# Altium PCB MCP33151 Eval Board.PcbDoc (part 1 of 3) (continued)
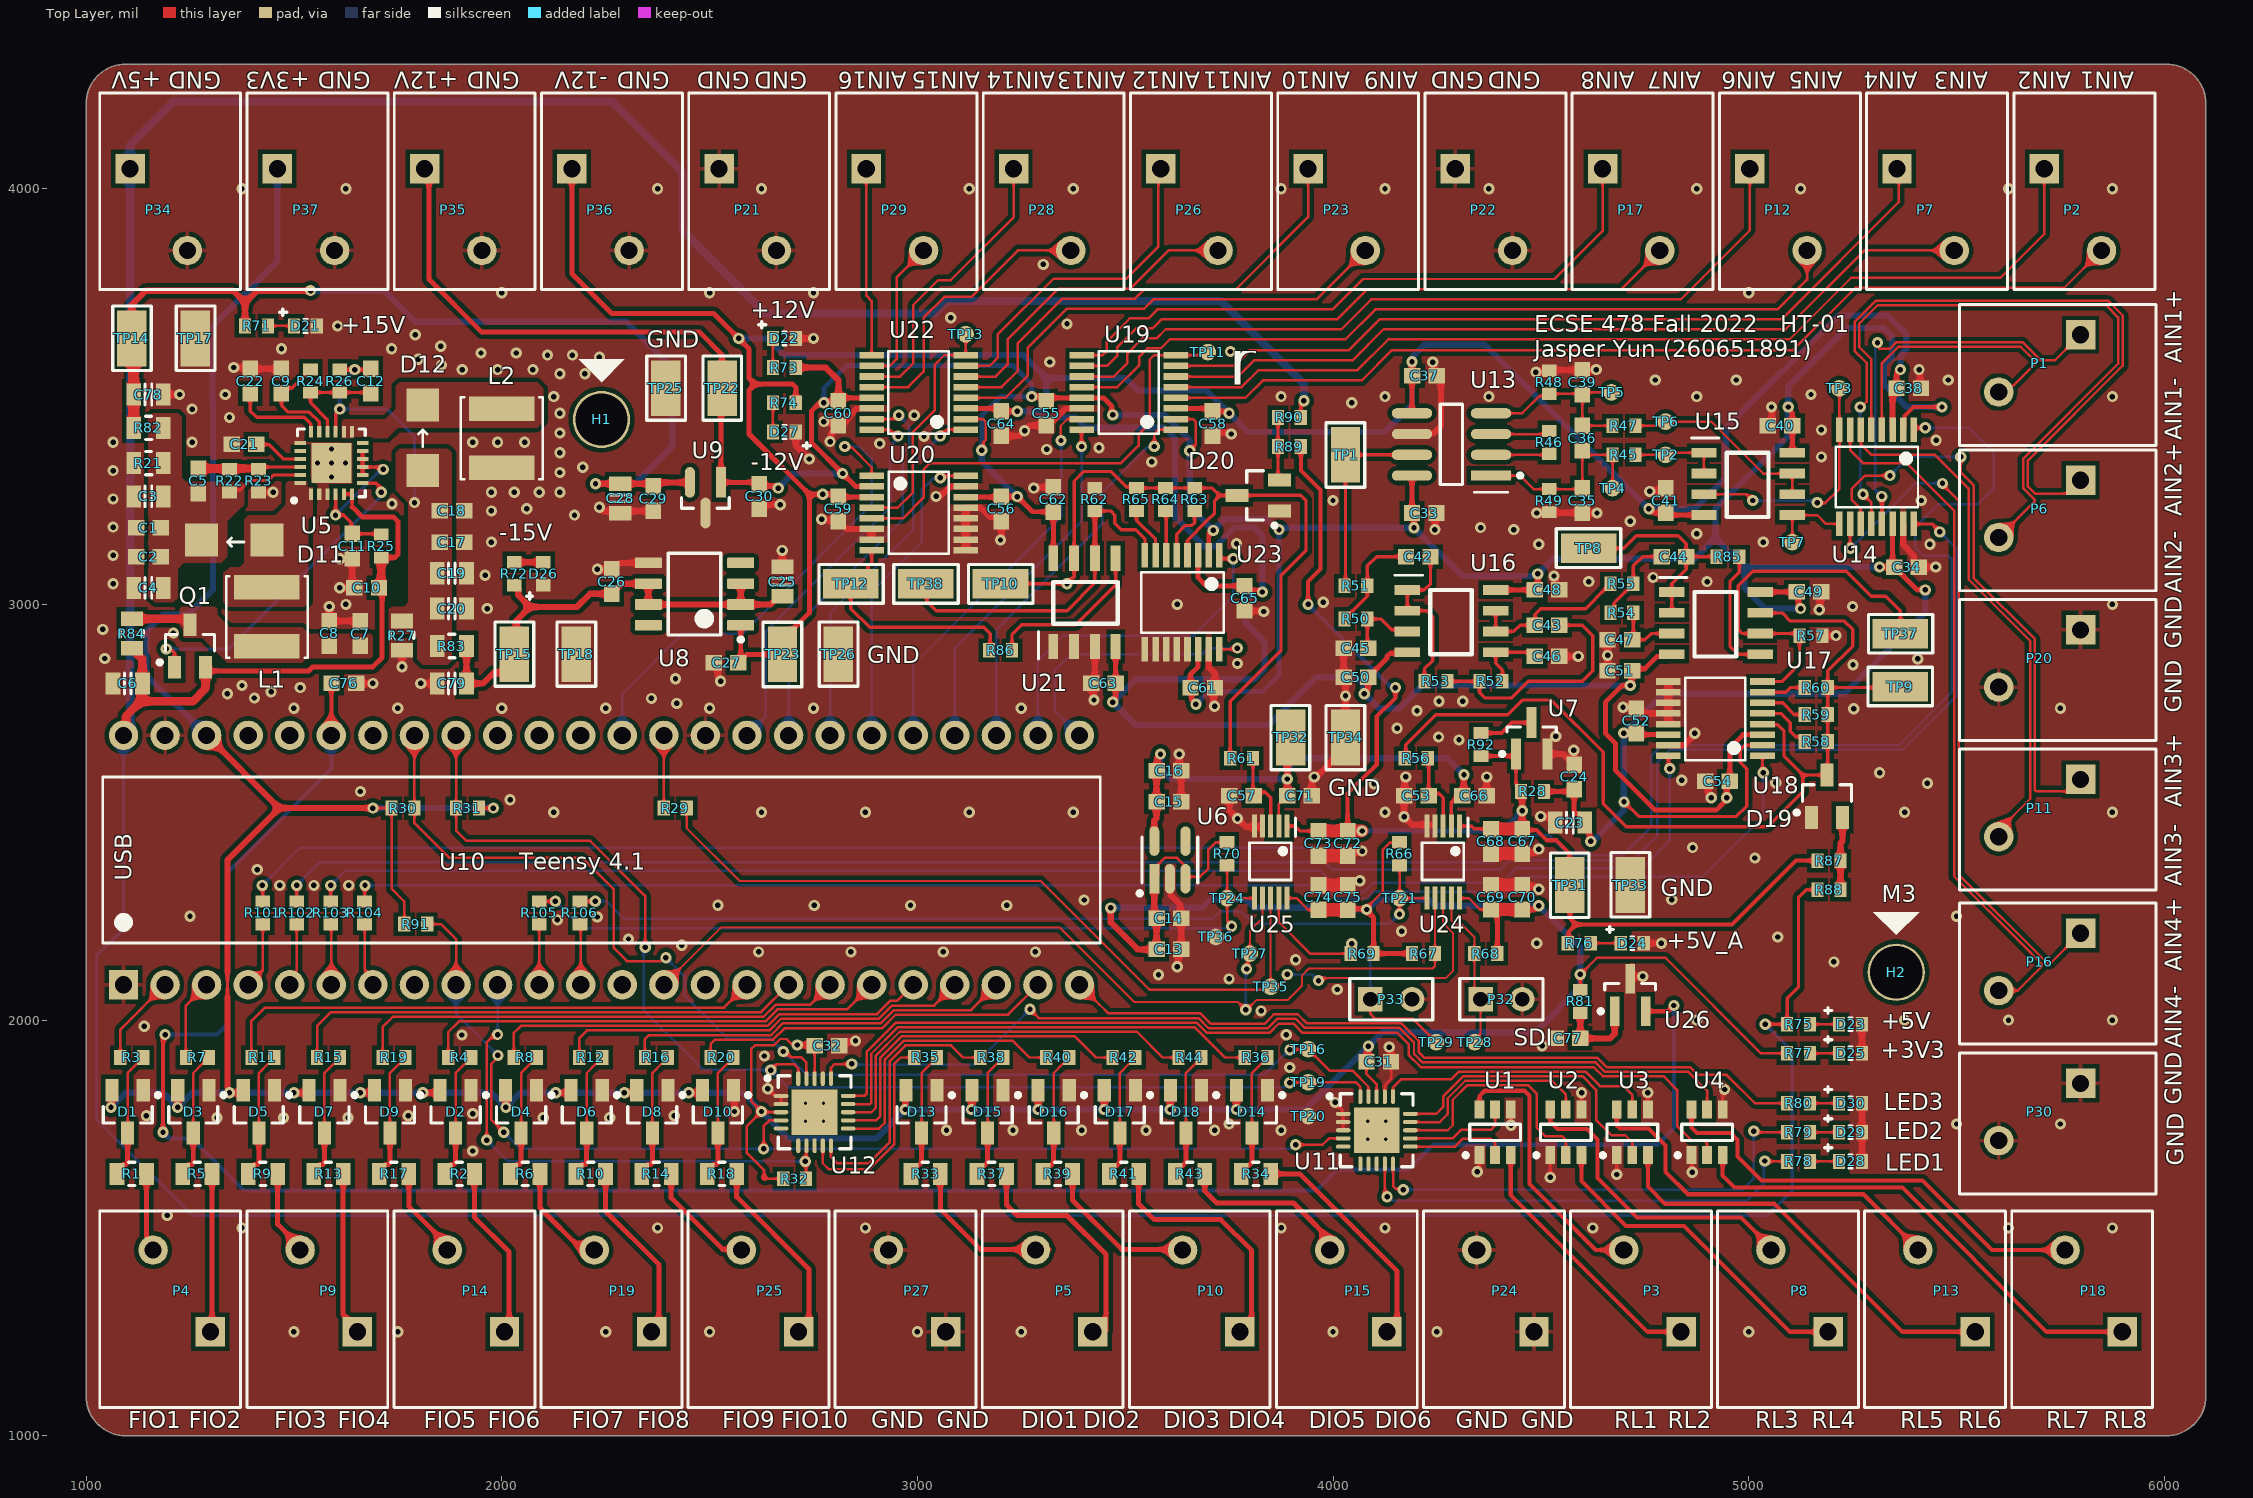
[diagram p0: Top Layer view]
## Footprints (in the part's own frame and the unit in brackets; to place one, negate y for a bottom-side part, rotate by r counter-clockwise, add the part's x,y. Pads: shape width x height; smd on the part's side, far side on the other; paste and mask are expansions set on the pad)
"0603 CAP SAMSUNG CL10C" [mm]
  rect 1x0.95 smd: 1(-0.75,0) 2(0.75,0)
  body extent -0.85,-0.45 0.85,0.45, height 0.9
"0603 LED" [mm] "0603 (1608 METRIC) LED"
  rect 0.75x0.9 smd: 1(-0.7,0) 2(0.7,0)
  silkscreen extent -1.58,-0.41 0.1,1.02, body extent -0.8,-0.4 0.81,0.4, height 0.74
"0603 RES" [mm] "0603 (1608 METRIC) RESISTOR"
  rect 0.75x0.9 smd: 1(-0.7,0) 2(0.7,0)
  body extent -0.8,-0.43 0.8,0.43, height 0.48
"0805 CAP" [mm] "0805 (2012 METRIC) CAPACITOR"
  rect 0.9x1.35 smd: 1(-0.9,0) 2(0.9,0)
  silkscreen extent -0.2,-0.64 0.2,0.64, body extent -1,-0.67 1,0.67, height 1
"0805 RES" [mm] "0805 (2012 METRIC) RESISTOR"
  rect 0.9x1.35 smd: 1(-0.9,0) 2(0.9,0)
  silkscreen extent -0.18,-0.71 0.2,0.71, body extent -0.97,-0.62 1.03,0.62, height 0.6
ADI-RT-3_M [mm] "SOT23, 3-Leads, Body 2.9x1.3mm, Pitch 0.96mm, IPC Low Density"
  rect 1.9x0.6 smd: 1(-0.96,0.96) 2(-0.96,-0.96) 3(0.96,0)
  silkscreen extent -1.07,-1.5 0.7,1.92, body extent -0.7,-1.52 0.7,1.52, height 1.12
D0008A_M [mm] "SOIC, 8-Leads, Body 5x4mm, Pitch 1.27mm, IPC Low Density"
  rrect15% 1.65x0.65 smd: 1(-2.825,1.905) 2(-2.825,0.635) 3(-2.825,-0.635) 4(-2.825,-1.905) 5(2.825,-1.905) 6(2.825,-0.635) 7(2.825,0.635) 8(2.825,1.905)
  silkscreen extent -2.95,-2.5 1.6,2.9, body extent -3,-2.45 3,2.45, height 1.63
"Diode SMA" [mm] "SMA Diode (Schottky)"
  rect 2x2 smd: 1(-2,0) 2(2,0)
  body extent -2.6,-1.35 2.61,1.25, height 2.21
FP-D0008A-IPC_A [mil]
  rect 97.21x24.49 smd paste+0 mask+0: 1(-95.02,75)
  rrect100% 97.21x24.49 smd paste+0 mask+0: 2(-95.02,25) 3(-95.02,-25) 4(-95.02,-75) 5(95.02,-75) 6(95.02,-25) 7(95.02,25) 8(95.02,75)
  silkscreen extent -170,-97 27,97, body extent -163,-116 163,116, height 10
FP-DBV0005A-IPC_A [mm]
  rect 1.805x0.612 smd paste+0 mask+0: 1(-1.15,0.95)
  rrect100% 1.805x0.612 smd paste+0 mask+0: 2(-1.15,0) 3(-1.15,-0.95) 4(1.15,-0.95) 5(1.15,0.95)
  silkscreen extent -2.16,-1.7 1.4,1.96, body extent -1.4,-1.45 1.4,1.45, height 1.45
FP-DBZ0003A-IPC_A [mm]
  rect 1.874x0.612 smd paste+0 mask+0: 1(-0.935,0.95)
  rrect100% 1.874x0.612 smd paste+0 mask+0: 2(-0.935,-0.95) 3(0.935,0)
  silkscreen extent 0,-1.46 0.65,1.46, body extent -2.37,-1.96 2.37,1.96, height 0.25
HDR1X2 [mm] "Connector; Header; 2 Position"
  rect 1.5x1.5 hole 0.9: 1(0,0)
  round 1.5 hole 0.9: 2(2.54,0)
  silkscreen extent -1.27,-1.27 3.81,1.27
"HOLE M3" [mm]
  round 3.5 hole 3.2: 1(0,0)
"Inductor BWVS005050403R3M00" [mm] "505040 Inductor SMD"
  rect 4x1.5 smd: 1(0,-1.8) 2(0,1.8)
  silkscreen extent -2.5,-2.5 2.5,2.5, body extent -2.5,-2.5 2.5,2.5, height 4
MSOP-10 [mm]
  rect 0.3x1.4 smd: 1(-1,-2.2) 2(-0.5,-2.2) 3(0,-2.2) 4(0.5,-2.2) 5(1,-2.2) 6(1,2.2) 7(0.5,2.2) 8(0,2.2) 9(-0.5,2.2) 10(-1,2.2)
  silkscreen extent -1.51,-2.71 1.29,1.1, body extent -1.48,-2.49 1.52,2.41, height 1.15
QFN-ML20_M [mm] "QFN, 20-Leads, Body 4x4mm, Pitch 0.5mm, Thermal Pad 2.8x2.8mm, IPC Low Density"
  oval 0.9x0.25 smd: 1(-2.05,1) 2(-2.05,0.5) 3(-2.05,0) 4(-2.05,-0.5) 5(-2.05,-1) 11(2.05,-1) 12(2.05,-0.5) 13(2.05,0) 14(2.05,0.5) 15(2.05,1)
  oval 0.25x0.9 smd: 6(-1,-2.05) 7(-0.5,-2.05) 8(0,-2.05) 9(0.5,-2.05) 10(1,-2.05) 16(1,2.05) 17(0.5,2.05) 18(0,2.05) 19(-0.5,2.05) 20(-1,2.05)
  rect 2.8x2.8 smd: 21(0,0)
  silkscreen extent -3,-2.22 2.23,2.23, body extent -2.07,-2.07 2.08,2.08, height 1
SOIC-8 [mm]
  rect 0.6x1.55 smd: 1(-1.905,-2.7) 2(-0.635,-2.7) 3(0.635,-2.7) 4(1.905,-2.7) 5(1.905,2.7) 6(0.635,2.7) 7(-0.635,2.7) 8(-1.905,2.7)
  silkscreen extent -2.8,-3.46 2.03,1.24, body extent -2.45,-3.03 2.45,2.97, height 1.75
SOT23-3 [mm]
  rect 1.4x0.8 smd: 1(-1.3,0.95) 2(-1.3,-0.95) 3(1.3,0)
  silkscreen extent -1.12,-1.5 0.7,1.98, body extent -1.25,-1.5 1.25,1.5, height 1.1
SOT23-6 [mm]
  rect 1.1x0.6 smd: 1(-1.4,0.95) 2(-1.4,0) 3(-1.4,-0.95) 4(1.4,-0.95) 5(1.4,0) 6(1.4,0.95)
  silkscreen extent -1.52,-1.55 0.5,1.92, body extent -1.7,-1.55 1.7,1.55, height 1.45
SOT-23-TT3_M [mm] "SOT23, 3-Leads, Body 2.9x1.3mm, Pitch 0.95mm, Lead Span 2.4mm, IPC Low Density"
  rect 1.8x0.6 smd: 1(-1,0.95) 2(-1,-0.95) 3(1,0)
  silkscreen extent -1.12,-1.55 0.7,1.92, body extent -0.7,-1.52 0.7,1.53, height 1.12
"TEENSY 4.1" [mm]
  rect 1.8x1.8 hole 1.05: 1(-7.62,29.21)
  round 1.8 hole 1.05: 2(-7.62,26.67) 3(-7.62,24.13) 4(-7.62,21.59) 5(-7.62,19.05) 6(-7.62,16.51) 7(-7.62,13.97) 8(-7.62,11.43) 9(-7.62,8.89) 10(-7.62,6.35) 11(-7.62,3.81) 12(-7.62,1.27) 13(-7.62,-1.27) 14(-7.62,-3.81) 15(-7.62,-6.35) 16(-7.62,-8.89) 17(-7.62,-11.43) 18(-7.62,-13.97) 19(-7.62,-16.51) 20(-7.62,-19.05) 21(-7.62,-21.59) 22(-7.62,-24.13) 23(-7.62,-26.67) 24(-7.62,-29.21) 25(7.62,-29.21) 26(7.62,-26.67) 27(7.62,-24.13) 28(7.62,-21.59) 29(7.62,-19.05) 30(7.62,-16.51) 31(7.62,-13.97) 32(7.62,-11.43) 33(7.62,-8.89) 34(7.62,-6.35) 35(7.62,-3.81) 36(7.62,-1.27) 37(7.62,1.27) 38(7.62,3.81) 39(7.62,6.35) 40(7.62,8.89) 41(7.62,11.43) 42(7.62,13.97) 43(7.62,16.51) 44(7.62,19.05) 45(7.62,21.59) 46(7.62,24.13) 47(7.62,26.67) 48(7.62,29.21)
  silkscreen extent -5.08,-30.48 5.08,30.48, body extent -8.86,-34.58 8.92,31.98, height 7.1
"TERMINAL BLOCK 1985195 2-POS 3.5MM PITCH" [mm]
  rect 1.8x1.8 hole 1.05: 1(1.75,-2.5)
  round 1.8 hole 1.05: 2(-1.75,2.5)
  silkscreen extent -5.01,-7.12 3.6,4.89, body extent -5,-7.13 3.5,4.87, height 13.1
"Test Point Keystone 5015" [mm]
  rect 3.4x1.8 smd: 1(0,0)
  silkscreen extent -1.96,-1.19 1.98,1.17, body extent -1.33,-0.51 1.33,0.51, height 1.52
"TEST POINT SMD PAD" [mil]
  round 40 smd: 1(0,0)
TSSOP-16 [mm]
  rect 0.4x1.5 smd: 1(-2.275,-2.875) 2(-1.625,-2.875) 3(-0.975,-2.875) 4(-0.325,-2.875) 5(0.325,-2.875) 6(0.975,-2.875) 7(1.625,-2.875) 8(2.275,-2.875) 9(2.275,2.875) 10(1.625,2.875) 11(0.975,2.875) 12(0.325,2.875) 13(-0.325,2.875) 14(-0.975,2.875) 15(-1.625,2.875) 16(-2.275,2.875)
  silkscreen extent -2.53,-1.83 2.5,1.85, body extent -2.51,-3.15 2.49,3.25, height 1.1
VQFN-24 [mm]
  rect 0.7x0.25 smd: 1(-1.9,1.25) 2(-1.9,0.75) 3(-1.9,0.25) 4(-1.9,-0.25) 5(-1.9,-0.75) 6(-1.9,-1.25) 13(1.9,-1.25) 14(1.9,-0.75) 15(1.9,-0.25) 16(1.9,0.25) 17(1.9,0.75) 18(1.9,1.25)
  rect 0.25x0.7 smd: 7(-1.225,-1.9) 8(-0.735,-1.9) 9(-0.245,-1.9) 10(0.245,-1.9) 11(0.735,-1.9) 12(1.225,-1.9) 19(1.225,1.9) 20(0.735,1.9) 21(0.245,1.9) 22(-0.245,1.9) 23(-0.735,1.9) 24(-1.225,1.9)
  rect 2.45x2.45 smd: 25(0,0)
  silkscreen extent -2.39,-2.06 2.08,2.39, body extent -2.04,-2.04 2.06,2.06, height 1.05

## Part data
C1 C2 C3 C4 C5 C6 C7 C8 C9 C10 C11 C12 C13 C14 C15 C16 C17 C18 C19 C20 C21 C22 C23 C24 C25 C26 C27 C28 C29 C30 C31 C32 C33 C34 C35 C36 C37 C38 C39 C40 C41 C42 C43 C44 C45 C46 C47 C48 C49 C50 C51 C52 C53 C54 C55 C56 C57 C58 C59 C60 C61 C62 C63 C64 C65 C66 C67 C68 C69 C70 C71 C72 C73 C74 C75 C76 C77 C78 C79: library part Cap, "Capacitor", LatestRevisionDate=17-Jul-2002, LatestRevisionNote="Re-released for DXP Platform.", PackageDescription="Radial Cap, Thru-Hole; 2 Leads; 0.3 in Pin Spacing", PackageReference=RAD-0.3, Published=8-Jun-2000, Publisher="Altium Limited"
D1 D2 D3 D4 D5 D6 D7 D8 D9 D10 D13 D14 D15 D16 D17 D18 D19 D20: library part "Schottky Diode Array BAT54S", "Rectifier Diode Small Signal Schottky 40V 0.3A 5ns 3-Pin SOT-23 T/R", Average Rectified Current=300mA, Case/Package=SOT-23, Forward Voltage=900mV, Manufacturer=STMicroelectronics, Manufacturer Part Number=BAT54SFILM, Max Forward Surge Current (Ifsm)=1A, Max Operating Temperature=150°C, Max Repetitive Reverse Voltage (Vrrm)=40V, Max Reverse Current=100uA, Max Reverse Leakage Current=1uA, Min Operating Temperature=-40°C, Package Quantity=3000, Supplier Part Number 1=497-2522-1-ND, Voltage Rating (DC)=30V, Category="Rectifier Diodes", ComponentLink1Description=https://datasheet.ciiva.com/1200/1689724-1200683.pdf?src-supplier=Farnell, ComponentLink1URL=https://datasheet.ciiva.com/1200/1689724-1200683.pdf?src-supplier=Farnell, ComponentLink2Description=https://datasheet.ciiva.com/1177/1689724-1177974.pdf?src-supplier=Element14, ComponentLink2URL=https://datasheet.ciiva.com/1177/1689724-1177974.pdf?src-supplier=Element14, ComponentLink3Description=https://datasheet.ciiva.com/1200/cd00001322-1200682.pdf?src-supplier=Farnell, ComponentLink3URL=https://datasheet.ciiva.com/1200/cd00001322-1200682.pdf?src-supplier=Farnell, ComponentLink4Description=https://datasheet.ciiva.com/14168/cd00001322-14168028.pdf?src-supplier=Distrelec, ComponentLink4URL=https://datasheet.ciiva.com/14168/cd00001322-14168028.pdf?src-supplier=Distrelec, ComponentLink5Description=https://datasheet.ciiva.com/905/cd00001322-905882.pdf?src-supplier=Digi-Key, ComponentLink5URL=https://datasheet.ciiva.com/905/cd00001322-905882.pdf?src-supplier=Digi-Key, ComponentLink6Description=https://datasheet.ciiva.com/905/cd00001322-905881.pdf?src-supplier=Digi-Key, ComponentLink6URL=https://datasheet.ciiva.com/905/cd00001322-905881.pdf?src-supplier=Digi-Key, ComponentLink7Description=https://datasheet.ciiva.com/905/cd00001322-905883.pdf?src-supplier=Digi-Key, ComponentLink7URL=https://datasheet.ciiva.com/905/cd00001322-905883.pdf?src-supplier=Digi-Key, ComponentLink8Description=https://datasheet.ciiva.com/1177/1689724-1177973.pdf?src-supplier=Element14, ComponentLink8URL=https://datasheet.ciiva.com/1177/1689724-1177973.pdf?src-supplier=Element14, Current Rating=300mA, Element Configuration=Single, Forward Current=300mA, Height=0.95mm, Lead Free="Lead Free", Length=2.9mm, Max Reverse Voltage (DC)=40V, Max Surge Current=1A, Mount="Surface Mount", Number of Pins=3, Packaging="Tape and Reel", Peak Non-Repetitive Surge Current=1A, Pricing 1="1=0.34000, 10=0.27800, 100=0.14730, 500=0.09694, 1000=0.06592 (USD)", Radiation Hardening=No, REACH SVHC="No SVHC", Recovery Time=5ns, Reverse Recovery Time=5ns, RoHS=Yes, RoHS Compliant=Yes, Stock 1=2760, Supplier 1=Digi-Key, Termination=SMD/SMT, Weight=0.1lb, Width=3.05mm
D11 D12: library part "Schottky Diode", "Generic Schottky Diode"
D21 D22 D23 D24 D25 D26 D27 D29 D30: "Generic Green LED"
D28: "Generic Red LED"
H1 H2: library part Hole
L1 L2: library part Inductor, "4.7uH  BWVS005050404R7M00", Code_IEC=1005, Code_JEITA=0402, LatestRevisionDate=29-May-2009, LatestRevisionNote="IPC-7351 Footprint Added.", PackageDescription="Chip Inductor", PackageReference=0402-A, Published=8-Jun-2000, Publisher="Altium Limited"
P1 P2 P3 P4 P5 P6 P7 P8 P9 P10 P11 P12 P13 P14 P15 P16 P17 P18 P19 P20 P21 P22 P23 P24 P25 P26 P27 P28 P29 P30 P32 P33 P34 P35 P36 P37: library part "Header 2", "Header, 2-Pin", LatestRevisionDate=17-Jul-2002, LatestRevisionNote="Re-released for DXP Platform.", Publisher="Altium Limited"
Q1: library part PMOS, "AO3407A PMOS"
R1 R2 R3 R4 R5 R6 R7 R8 R9 R10 R11 R12 R13 R14 R15 R16 R17 R18 R19 R20 R33 R34 R35 R36 R37 R38 R39 R40 R41 R42 R43 R44: library part Res1, LatestRevisionDate=17-Jul-2002, LatestRevisionNote="Re-released for DXP Platform.", PackageDescription="Axial Device, Thru-Hole; 2 Leads; 0.3 in Pin Spacing", PackageReference=AXIAL-0.3, Published=8-Jun-2000, Publisher="Altium Limited"
R21 R22 R23 R24 R25 R26 R27 R28 R29 R30 R31 R32 R45 R46 R47 R48 R49 R50 R51 R52 R53 R54 R55 R56 R57 R58 R59 R60 R61 R62 R63 R64 R65 R66 R67 R68 R69 R70 R71 R72 R73 R74 R75 R76 R77 R78 R79 R80 R81 R82 R83 R84 R85 R86 R87 R88 R89 R90 R91 R92 R101 R102 R103 R104 R105 R106: library part Res1, "Resistor", LatestRevisionDate=17-Jul-2002, LatestRevisionNote="Re-released for DXP Platform.", PackageDescription="Axial Device, Thru-Hole; 2 Leads; 0.3 in Pin Spacing", PackageReference=AXIAL-0.3, Published=8-Jun-2000, Publisher="Altium Limited"
TP1 TP2 TP3 TP4 TP5 TP6 TP7 TP8 TP9 TP10 TP11 TP12 TP13 TP14 TP15 TP16 TP17 TP18 TP19 TP20 TP21 TP22 TP23 TP24 TP25 TP26 TP27 TP28 TP29 TP31 TP32 TP33 TP34 TP35 TP36 TP37 TP38: "Keystone 5015 Test point"
U1 U2 U3 U4: library part "Relay Driver Dual NUD3160DMT1G", "IC INDCT LOAD DRVR INDUST SC74-6", Case/Package=SC, Continuous Drain Current (ID)=150mA, Current Rating=263mA, Drain To Source Breakdown Voltage=60V, Drain To Source Resistance=1.8R, Gate to Source Voltage (Vgs)=12V, Manufacturer="ON Semiconductor", Max Operating Temperature=125°C, Min Operating Temperature=-40°C, On-State Resistance=3.7R, Output Current=200mA, Output Voltage=61V, Package Quantity=3000, Power Dissipation=380mW, Category="Hot Swap Controllers", ComponentLink1Description=https://datasheet.ciiva.com/1955/nud3160-d-1955024.pdf?src-supplier=Digi-Key, ComponentLink1URL=https://datasheet.ciiva.com/1955/nud3160-d-1955024.pdf?src-supplier=Digi-Key, ComponentLink2Description=https://datasheet.ciiva.com/1609/1786838-1609180.pdf?src-supplier=Newark, ComponentLink2URL=https://datasheet.ciiva.com/1609/1786838-1609180.pdf?src-supplier=Newark, ComponentLink3Description=https://datasheet.ciiva.com/8114/nud3160-d-8114970.pdf?src-supplier=Avnet, ComponentLink3URL=https://datasheet.ciiva.com/8114/nud3160-d-8114970.pdf?src-supplier=Avnet, ComponentLink4Description=https://datasheet.ciiva.com/11168/nud3160-d-11168234.pdf?src-supplier=Avnet, ComponentLink4URL=https://datasheet.ciiva.com/11168/nud3160-d-11168234.pdf?src-supplier=Avnet, ComponentLink5Description=https://datasheet.ciiva.com/1955/nud3160-d-1955025.pdf?src-supplier=Digi-Key, ComponentLink5URL=https://datasheet.ciiva.com/1955/nud3160-d-1955025.pdf?src-supplier=Digi-Key, ComponentLink6Description=https://datasheet.ciiva.com/1955/nud3160-d-1955026.pdf?src-supplier=Digi-Key, ComponentLink6URL=https://datasheet.ciiva.com/1955/nud3160-d-1955026.pdf?src-supplier=Digi-Key, Contact Plating=Tin,Matte, Drain to Source Voltage (Vdss)=60V, Element Configuration=Dual, Fall Time=600ns, Halogen Free="Halogen Free", Height=0.94mm, Interface=On/Off, Lead Free="Lead Free", Length=3mm, Manufacturer Part Number=NUD3160DMT1G, Max Output Current=150mA, Max Supply Voltage=60V, Mount="Surface Mount", Number of Elements=2, Number of Outputs=2, Number of Pins=6, Output Configuration="Low Side", Packaging="Tape and Reel", Pricing 1="1=0.44430, 10=0.32460, 25=0.32120 (USD)", Radiation Hardening=No, REACH SVHC="No SVHC", Rise Time=600ns, RoHS=Yes, RoHS Compliant=Yes, Stock 1=33, Supplier 1="Arrow Electronics", Supplier Part Number 1=NUD3160DMT1G, Width=1.5mm
U5: library part "Dual Boost TPS65131RGER", "IC REG BUCK BST INV ADJ DL 24QFN", Case/Package="VQFN EP", Manufacturer="Texas Instruments", Max Input Voltage=5.5V, Max Operating Temperature=85°C, Max Output Voltage=15V, Min Input Voltage=2.7V, Min Operating Temperature=-40°C, Min Output Voltage=-15V, Output Current=1.95A, Package Quantity=3000, Quiescent Current=500uA, Supplier Part Number 1=296-41760-1-ND, Switching Frequency=1.4MHz, Category="Voltage Regulators - Switching", ComponentLink1Description=https://datasheet.ciiva.com/4119/40762122s8213930n7713-4119696.pdf?src-supplier=Arrow+Electronics, ComponentLink1URL=https://datasheet.ciiva.com/4119/40762122s8213930n7713-4119696.pdf?src-supplier=Arrow+Electronics, ComponentLink2Description=https://datasheet.ciiva.com/14378/tps65130-14378346.pdf?src-supplier=Avnet, ComponentLink2URL=https://datasheet.ciiva.com/14378/tps65130-14378346.pdf?src-supplier=Avnet, ComponentLink3Description=https://datasheet.ciiva.com/15223/getdatasheetpartid-254483-15223079.pdf?src-supplier=Verical, ComponentLink3URL=https://datasheet.ciiva.com/15223/getdatasheetpartid-254483-15223079.pdf?src-supplier=Verical, ComponentLink4Description=https://datasheet.ciiva.com/2035/tps65130-2035332.pdf?src-supplier=Digi-Key, ComponentLink4URL=https://datasheet.ciiva.com/2035/tps65130-2035332.pdf?src-supplier=Digi-Key, Efficiency=85%, Lead Free="Lead Free", Manufacturer Part Number=TPS65131RGER, Number of Outputs=2, Number of Pins=24, Operating Supply Voltage=5.5V, Output Type=Adjustable, Output Voltage=15V, Packaging="Tape and Reel", Pricing 1="1=3.00000, 10=2.69400, 25=2.54720, 100=2.20760, 250=2.09436, 500=1.87926, 1000=1.70880 (USD)", Radiation Hardening=No, RoHS=Yes, RoHS Compliant=Yes, Series=-, Stock 1=7644, Supplier 1=Digi-Key, Synchronous Rectifier=No, Topology=Buck-Boost, Weight=0.001524oz
U6: library part CMP-04917-000111-2, "None", Case/Package=SOT-23-5, Dropout Voltage=695mV, Max Input Voltage=5.5V, Max Operating Temperature=125°C, Max Supply Current=75uA, Min Operating Temperature=-40°C, Min Output Voltage=1.8V, Output Current=150mA, Power Supply Rejection Ratio (PSRR)=55dB, Quiescent Current=50uA, Mount="Surface Mount", Number of Regulators=1, Output Configuration=Positive, Output Type=Fixed, Packaging="Cut Tape", RoHS Compliant=Yes
U7: library part CMP-0784-00426-1, "Precision Micropower Shunt Mode Voltage Reference, 5 V Output, Industrial, 3-pin SOT23 (RT-3), Reel", Manufacturer="Analog Devices", Operating Temp Range="-40 to 125 degC", Code_JEDEC=TO-236-AB, ComponentLink1Description="Manufacturer URL", ComponentLink1URL=http://www.analog.com/en/index.html, ComponentLink2Description=Datasheet, ComponentLink2URL=http://www.analog.com/static/imported-files/data_sheets/ADR5040_5041_5043_5044_5045.pdf, ComponentLink3Description="Package Specification", ComponentLink3URL="http:/www.analog.com/static/imported-files/packages/PKG_PDF/SOT-23-3 (RT)/RT_3.pdf", ComponentLink4Description="URL Link1", ComponentLink4URL="Product URL:http://www.analog.com/en/special-linear-functions/voltage-references/adr5045/products/product.html", DatasheetVersion="Rev. B", Mounting Technology="Surface Mount", PackageDescription="3-Pin Small Outline Transistor Package, Body 2.9 x 1.3 mm, Pitch 0.96 mm", PackageReference=RT-3, PackageVersion="011909-C, 02/2009", Packing=Reel, PartNumber=ADR5045BRTZ-REEL7, Ref Out TC (ppm/C)=10, Vout=5V
U8: library part CMP-0324-00120-3, "Fixed Regulator with -14.5 to -27 V Input and -12 V Output, 0 to 125 degC, 8-Pin SOIC (D), Green (RoHS & no Sb/Br)", Manufacturer="Texas Instruments", Code_JEDEC=MS-012AA, ComponentLink1Description=Datasheet, ComponentLink1URL=http://www.ti.com/general/docs/lit/getliterature.tsp?genericPartNumber=MC79L12A&fileType=pdf, ComponentLink2Description="Package Specification", ComponentLink2URL=http://www.ti.com/litv/pdf/msoi002j, ComponentLink3Description="URL Link1", ComponentLink3URL="Samples URL:http://www.ti.com/product/mc79l12a#samples", DatasheetVersion=SLVS011D, Eco-Plan="Green (RoHS & no Sb/Br)", Iout(Max)(A)=0.1, Iq(Typ)(mA)=6.5, Mounting Technology="Surface Mount", PackageDescription="8-Pin Plastic Small Outline Integrated Circuit, 4.9 x 3.9 mm, Pitch 1.27 mm Pitch", PackageReference=D0008A, PackageVersion="revM, Jun-2011", PartNumber=MC79L12ACDR, Vin(Max)(V)=-27, Vin(Min)(V)=-14.5, Vout(Max)(V)=-12, Vout(Min)(V)=-12
U9: library part CMP-04917-000204-1, "IC REG LINEAR 12V 100MA SOT23-3", Case/Package=TO-236-3, Dropout Voltage=1.1V, Max Input Voltage=30V, Max Operating Temperature=125°C, Min Operating Temperature=-40°C, Min Output Voltage=12V, Output Current=100mA, Quiescent Current=5mA, Mount="Surface Mount", Number of Regulators=1, Output Configuration=Positive, Output Type=Fixed, Packaging="Cut Tape", RoHS Compliant=Yes
U10: "Teensy 4.1 breakout (no ethernet or USB host pins exposed)"
U11 U12: library part CMP-0186-00018-2, "8-Bit I/O Expander with Serial Interface, 20-Pin QFN, Extended Temperature", ComponentLink1Description="Manufacturer URL", ComponentLink1URL=http://www.microchip.com/, ComponentLink2Description=Datasheet, ComponentLink2URL=http://ww1.microchip.com/downloads/en/DeviceDoc/21919e.pdf, ComponentLink3Description="Package Specification", ComponentLink3URL=http://www.microchip.com/stellent/groups/techpub_sg/documents/packagingspec/en012702.pdf, DatasheetVersion="revE, Aug-2007", PackageDescription="20-Lead Plastic Quad Flat, No Lead Package (ML) - 4x4x0.9 mm Body [QFN]", PackageReference=QFN-ML20, PackageVersion="revBB, Aug-2009", RevisionNote="URLs added."
U13: library part CMP-04895-000157-1, "IC INST AMP 1 CIRCUIT 8SOIC", RoHS Compliant=Yes
U14 U18 U20 U23: library part "Analog Mux DG409DQ-E3", "DG409 Series 20 V 8-Ch/Dual 4-Ch High-Performance CMOS Analog Multiplexer", Case/Package=TSSOP, Dual Supply Voltage=15V, Manufacturer="Vishay Siliconix", Max Dual Supply Voltage=20V, Max Operating Temperature=85°C, Max Power Dissipation=600mW, Max Supply Current=500uA, Max Supply Voltage=44V, Min Dual Supply Voltage=5V, Min Operating Temperature=-40°C, Min Supply Voltage=13V, On-State Resistance=90R, Operating Supply Current=1uA, Operating Supply Voltage=36V, Package Quantity=360, Supplier Part Number 1=78-DG409DQ-E3, Category="Decoders and Multiplexers", ComponentLink1Description=https://datasheet.ciiva.com/1677/dg408-1677556.pdf?src-supplier=Digi-Key, ComponentLink1URL=https://datasheet.ciiva.com/1677/dg408-1677556.pdf?src-supplier=Digi-Key, ComponentLink2Description=https://datasheet.ciiva.com/2978/dg408-2978747.pdf?src-supplier=Avnet, ComponentLink2URL=https://datasheet.ciiva.com/2978/dg408-2978747.pdf?src-supplier=Avnet, Height=0.92mm, Lead Free="Lead Free", Length=5.07mm, Logic Function=Multiplexer, Manufacturer Part Number=DG409DQ-E3, Mount="Surface Mount", Number of Channels=4, Number of Inputs=8, Number of Outputs=2, Number of Pins=16, Packaging=Rail/Tube, Power Dissipation=600mW, Pricing 1="1=4.36000, 10=3.91000, 50=3.70000, 100=3.20000, 1000=2.73000, 10000=2.40000 (USD)", Propagation Delay=160ns, Radiation Hardening=No, RoHS=Yes, RoHS Compliant=Yes, Series=-, Stock 1=4584, Supplier 1=Mouser, Supply Type=Dual,Single, Turn-Off Delay Time=150ns, Turn-On Delay Time=150ns, Weight=0.006102oz, Width=4.4mm
U15 U16 U17 U21: library part "OP AMP RC4580", "2-channel, 12-MHz, low-noise, low-distortion audio op amp with high output current 8-SOIC -40 to 85", Case/Package=D, Dual Supply Voltage=9V, Input Bias Current=500nA, Input Offset Voltage (Vos)=3mV, Manufacturer="Texas Instruments", Manufacturer Part Number=RC4580IDR, Max Dual Supply Voltage=16V, Max Operating Temperature=85°C, Max Supply Voltage=32V, Min Dual Supply Voltage=2V, Min Operating Temperature=-40°C, Min Supply Voltage=4V, Nominal Supply Current=4.5mA, Operating Supply Current=6mA, Output Current per Channel=50mA, Package Quantity=1, Supplier Part Number 1=296-15367-1-ND, Voltage Gain=110dB, Bandwidth=12MHz, Category="Amplifiers - Op Amps, Buffer, Instrumentation", Common Mode Rejection Ratio=80dB, ComponentLink1Description=https://datasheet.ciiva.com/23806/1716592-23806563.pdf?src-supplier=Newark, ComponentLink1URL=https://datasheet.ciiva.com/23806/1716592-23806563.pdf?src-supplier=Newark, ComponentLink2Description=https://datasheet.ciiva.com/22654/1882301-22654837.pdf?src-supplier=Element14, ComponentLink2URL=https://datasheet.ciiva.com/22654/1882301-22654837.pdf?src-supplier=Element14, ComponentLink3Description=https://datasheet.ciiva.com/46382/1840282-46382300.pdf?src-supplier=Element14, ComponentLink3URL=https://datasheet.ciiva.com/46382/1840282-46382300.pdf?src-supplier=Element14, ComponentLink4Description=https://datasheet.ciiva.com/1796/rc4580-1796261.pdf?src-supplier=Digi-Key, ComponentLink4URL=https://datasheet.ciiva.com/1796/rc4580-1796261.pdf?src-supplier=Digi-Key, ComponentLink5Description=https://datasheet.ciiva.com/1796/rc4580-1796260.pdf?src-supplier=Digi-Key, ComponentLink5URL=https://datasheet.ciiva.com/1796/rc4580-1796260.pdf?src-supplier=Digi-Key, ComponentLink6Description=https://datasheet.ciiva.com/1796/rc4580-1796262.pdf?src-supplier=Digi-Key, ComponentLink6URL=https://datasheet.ciiva.com/1796/rc4580-1796262.pdf?src-supplier=Digi-Key, Contact Plating=Gold, Gain Bandwidth Product=12MHz, Lead Free="Lead Free", Load Impedance=2kR, Max I/O Voltage=3mV, Nominal Gain Bandwidth Product=12MHz, Number of Channels=2, Number of Circuits=2, Number of Elements=2, Number of Pins=8, Packaging="Tape and Reel", Pricing 1="1=0.46000, 10=0.37400, 25=0.34200, 100=0.25460, 250=0.23072, 500=0.19092, 1000=0.14320 (USD)", Radiation Hardening=No, Reach SVHC Compliant="No SVHC", RoHS=Yes, RoHS Compliant=Yes, Series=-, Slew Rate=5V/µs, Stock 1=3503, Supplier 1=Digi-Key, Supply Current=4.5mA, Technology=BIPOLAR, Unity Gain Bandwidth Product=12MHz, Weight=0.002561oz
U19 U22: library part "Analog Mux DG408DQ-T1-E3", "DG408DQ-T1-E3; Multiplexer Single 8: 1; 15 V; 18 V; 24 V; 28 V; 16-Pin TSSOP", Case/Package=TSSOP, Dual Supply Voltage=15V, High Level Output Current=30mA, Manufacturer="Vishay Siliconix", Max Dual Supply Voltage=20V, Max Operating Temperature=85°C, Max Power Dissipation=600mW, Max Supply Current=500uA, Max Supply Voltage=44V, Min Dual Supply Voltage=5V, Min Operating Temperature=-40°C, Min Supply Voltage=13V, Nominal Supply Current=10uA, On-State Resistance=90R, Operating Supply Current=1uA, Operating Supply Voltage=36V, Package Quantity=1, Supplier Part Number 1=2509481281, Category="Decoders and Multiplexers", ComponentLink1Description=https://datasheet.ciiva.com/15127/getdatasheetpartid-99309-15127097.pdf?src-supplier=Verical, ComponentLink1URL=https://datasheet.ciiva.com/15127/getdatasheetpartid-99309-15127097.pdf?src-supplier=Verical, ComponentLink2Description=https://datasheet.ciiva.com/11499/dg408-11499135.pdf?src-supplier=Avnet, ComponentLink2URL=https://datasheet.ciiva.com/11499/dg408-11499135.pdf?src-supplier=Avnet, ComponentLink3Description=https://datasheet.ciiva.com/1666/dg408-1666717.pdf?src-supplier=Digi-Key, ComponentLink3URL=https://datasheet.ciiva.com/1666/dg408-1666717.pdf?src-supplier=Digi-Key, ComponentLink4Description=https://datasheet.ciiva.com/1666/dg408-1666718.pdf?src-supplier=Digi-Key, ComponentLink4URL=https://datasheet.ciiva.com/1666/dg408-1666718.pdf?src-supplier=Digi-Key, ComponentLink5Description=https://datasheet.ciiva.com/1666/dg408-1666719.pdf?src-supplier=Digi-Key, ComponentLink5URL=https://datasheet.ciiva.com/1666/dg408-1666719.pdf?src-supplier=Digi-Key, Contact Plating=Tin,Matte, Height=0.92mm, Lead Free="Lead Free", Length=5.07mm, Logic Function=Multiplexer, Manufacturer Part Number=DG408DQ-T1-E3, Mount="Surface Mount", Number of Channels=8, Number of Circuits=1, Number of Inputs=8, Number of Outputs=1, Number of Pins=16, Packaging="Tape and Reel", Power Dissipation=600mW, Pricing 1="5=2.69000, 50=2.02000, 250=1.57000 (GBP)", Propagation Delay=160ns, Radiation Hardening=No, Reach SVHC Compliant=Unknown, RoHS=Yes, RoHS Compliant=Yes, Series=-, Stock 1=2985, Supplier 1=RSComponents, Supply Current=10uA, Supply Type=Single,Dual, Turn-Off Delay Time=150ns, Turn-On Delay Time=150ns, Weight=0.006102oz, Width=4.4mm
U24 U25: library part "ADC MCP33151", "ADC 14-bit SAR 1Msps 10-MSOP", Manufacturer=Microchip, Category="Analog to Digital Converters (ADCs)", Manufacturer Part Number=MCP33151-10-E/MS, Pricing 1="1=2.20600 (USD)", RoHS=No, Stock 1=90, Supplier 1="Arrow Electronics", Supplier Part Number 1=MCP33151-10-E/MS
U26: library part CMP-0192-00220-1, "Low-Power Linear Active Thermistor IC, 3-Pin SOT-23, Extended Temperature, Tape and Reel", Code_IPC=SOT23-3, DatasheetVersion="revE, Apr-2009", PackageDescription="3-Lead Plastic Small Outline Transistor (TT) [SOT-23]", PackageReference=SOT-23-TT3, PackageVersion="revBB, Aug-2009"

## Via types
v1: diameter 27, hole 13, Top Layer to Bottom Layer, tented both sides, 439 vias
v2: diameter 19.68, hole 7.87, Top Layer to Bottom Layer, 8 vias
v3: diameter 23.62/27/27/27 (per signal layer), hole 11.81, Top Layer to Bottom Layer, tented both sides, 3 vias
v4: diameter 23.62/0/0/27 (per signal layer), hole 11.81, Top Layer to Bottom Layer, 2 vias

## Nets (pads, with @x,y where several pads share a name; then routed paths per layer and width w, separated by ;. In a path a pad name is that pad's centre, name@x,y a point inside that pad or via, vN(x,y) a via of type N, cw(c..) or ccw(c..) an arc to the next point about the centre after c; other vN are vias at no path point)
+1V8_A: C15.2 C16.2 C66.2 C71.2 TP32.1 U6.5 U24.2 U25.2 | length 1410.1
  Top Layer w6: U25.2@3869.69,2466.61 3869.69,2519.69 3873.31,2523.31 3873.31,2524.3 3889.02,2540 C71.2@3890,2540 ; TP32.1@3878,2660 TP32.1@3898,2680
  Top Layer w8: U24.2@4284.69,2466.61 4284.69,2524.21 4294.79,2534.31 4294.79,2535.3 4309.49,2550 4310.47,2550 C66.2@4314.45,2553.98 ; v1@4314.45,2589.45 v1(4315,2590)
  Top Layer w15: U6.5@3570,2430.59 3570,2480 3575,2485 3575,2524.53 C15.2@3575.47,2525 3575.47,2599.53 C16.2@3575.94,2600 3577.41,2601.47 3577.41,2632.41 v1(3585,2640) ; C71.2@3890,2540 v1(3890,2580) TP32.1@3890,2660 ; C66.2@4314.45,2553.98 v1@4314.45,2589.45
  Bottom Layer w15: v1(3585,2640) 3585,2605 3610,2580 v1(3890,2580) 3890,2605 3915,2630 4275,2630 v1(4315,2590)